# Altium PCB xialeste.PcbDoc (part 5 of 10)
Units mm, origin at the board's own origin, x right, y up, seen from the top; angles counter-clockwise.
Board outline 203.2 x 171.45 mm, 6 copper layers (L1, L2, L3, L4 (PWR), L5, L6), stack 1.542 mm thick; 748 components, 618 nets, 3334 pads, 1535 vias.
Unrouted connection lines stored in the file: 160.
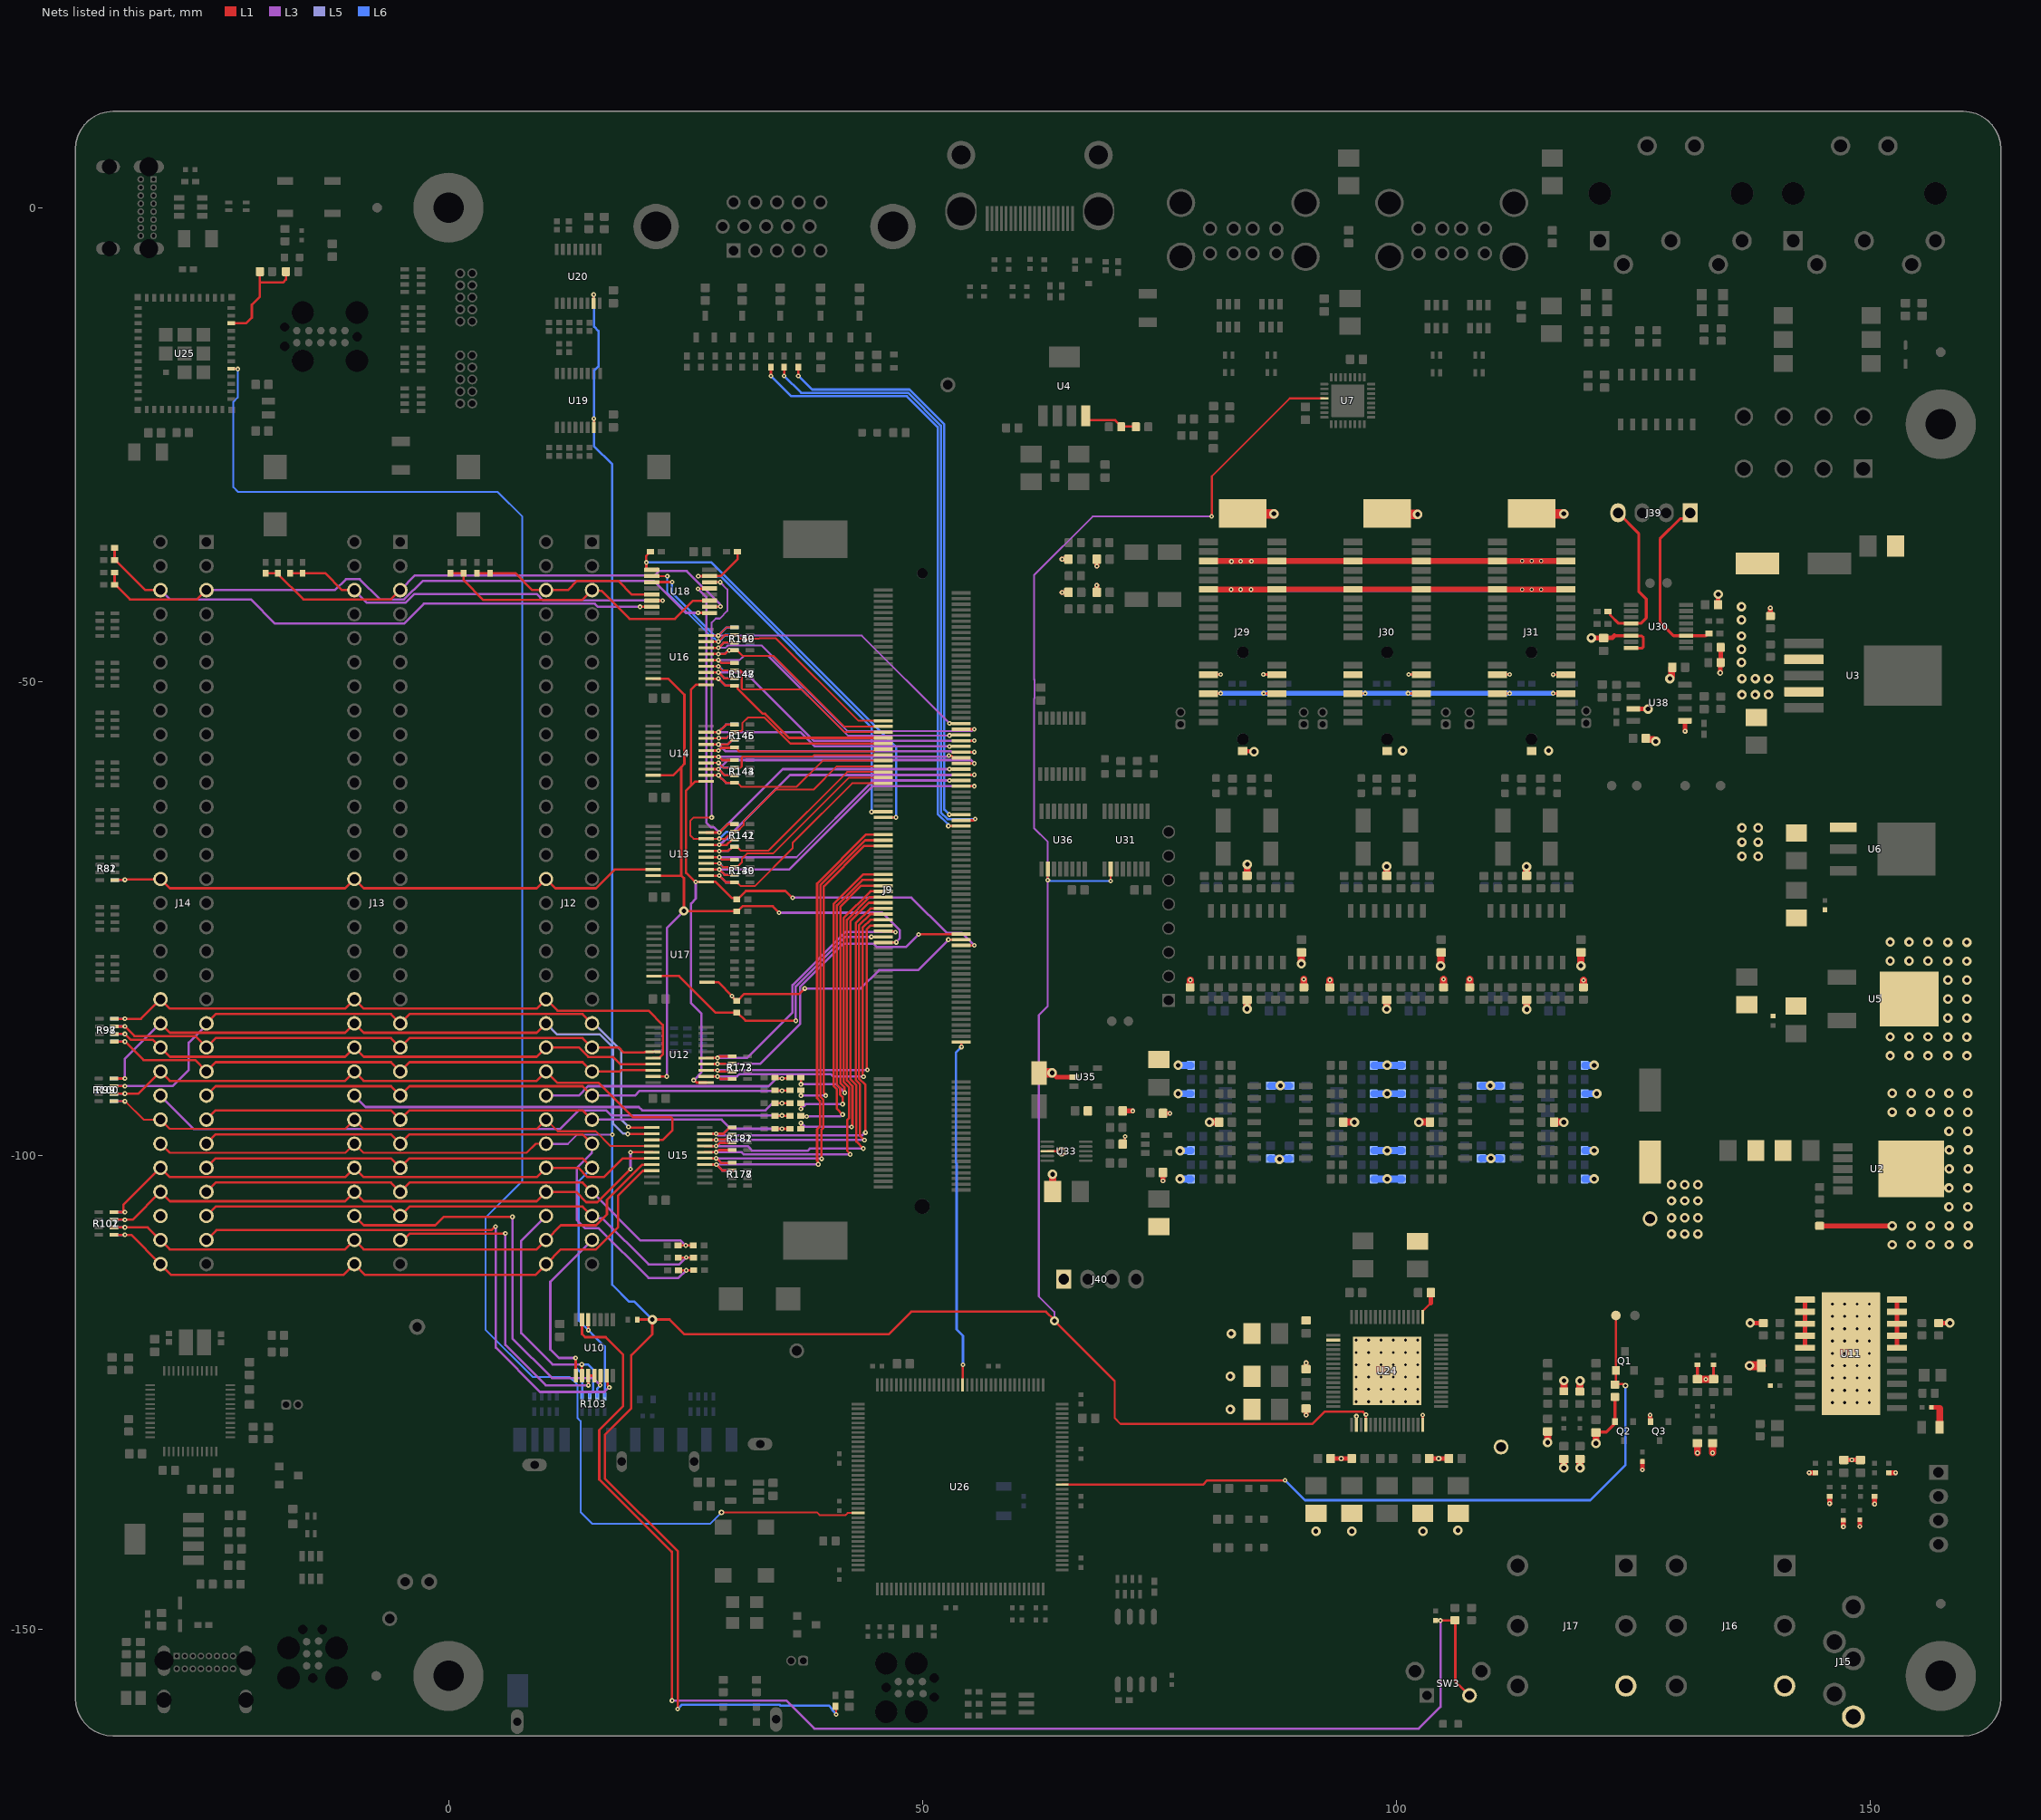
[diagram p9: the nets of this part, all layers, seen from the top]

## Via types
v1: diameter 0.5, hole 0.2, L1 to L6, tented both sides, 977 vias
v2: diameter 1, hole 0.5, L1 to L6, 416 vias
v3: diameter 0.6, hole 0.3, L1 to L6, 96 vias
v4: diameter 0.45, hole 0.25, L1 to L6, 26 vias
v5: diameter 0.5, hole 0.2, L1 to L6, 10 vias
v6: diameter 1, hole 0.5, L1 to L6, tented both sides, 10 vias

## Nets (pads, with @x,y where several pads share a name; then routed paths per layer and width w, separated by ;. In a path a pad name is that pad's centre, name@x,y a point inside that pad or via, vN(x,y) a via of type N, cw(c..) or ccw(c..) an arc to the next point about the centre after c; other vN are vias at no path point) (continued)
/ABENA: J9.76 R158.1 U12.19 U13.19 U14.19 U16.19 | length 79.9
  L1 w0.25: U12.19@21.6,-91.681 v1(23.048,-91.681) ; U13.19@21.6,-70.494 24.587,-70.494 24.848,-70.755 24.848,-74.151 v2@24.814,-74.185 ; U14.19@21.6,-59.9 23.7,-59.9 24.562,-59.038 ; U16.19@21.6,-49.7 23.2,-49.7 24.9,-51.4 24.9,-58.7 24.562,-59.038 ; 24.562,-70.451 24.562,-59.038 ; v2(24.848,-74.211) 24.868,-74.231 R158.1@30.519,-74.231 ; R158.1@30.425,-74.25 30.5,-74.25 R158.1@30.519,-74.231 ; v1(34.9,-74.4) 34.225,-73.725 31.025,-73.725 R158.1@30.519,-74.231 ; J9.76@45.9,-77.55 45.913,-77.537 47.238,-77.537 v1(47.25,-77.525)
  L3 w0.25: v1(23.048,-91.681) 23.048,-76.012 v2(24.848,-74.211) ; v1(34.9,-74.4) 45.791,-74.4 47.642,-76.251 47.642,-77.079 47.25,-77.471 v1(47.25,-77.525)
/ABOUT: J9.75 R151.1 U12.1 U13.1 U14.1 U16.1 | length 82.2
  L1 w0.25: v1(25.884,-92.07) 25.938,-92.07 26.199,-92.331 27.204,-92.331 U12.1@27.218,-92.317 ; U14.1@27.2,-60.55 26.053,-60.55 25.608,-60.995 ; U16.1@27.2,-50.35 26.118,-50.35 25.608,-50.86 25.608,-60.995 ; R151.1@30.425,-73 30.262,-72.837 29.882,-72.837 28.189,-71.144 v1(26.098,-71.144) 26.025,-71.144 25.085,-70.204 25.085,-61.518 25.608,-60.995 ; R151.1@30.5,-73 31.39,-72.11 35.556,-72.11 36.264,-72.818 v1(36.318,-72.818) ; J9.75@54.1,-77.85 v1(55.5,-77.85)
  L3 w0.25: v1(25.884,-92.07) 26.703,-91.251 26.703,-85.05 25.594,-83.941 25.594,-73.425 26.098,-72.921 v1(26.098,-71.144) ; v1(36.318,-72.818) 48.846,-72.818 52.553,-76.525 54.175,-76.525 v1(55.5,-77.85)
/B_BACK: J12.50 J13.50 J14.50 R99.1 R100.8 U15.14 | length 61.2
  L1 w0.2: R99.1@-35.3,-94.3 -34.112,-94.3 -32.172,-96.24 J14.50@-30.389,-96.24 -29.427,-97.202 -10.893,-97.202 J13.50@-9.931,-96.24 -8.969,-97.202 9.337,-97.202 J12.50@10.299,-96.24 11.527,-97.468 15.539,-97.468 17.096,-99.025 U15.14@21.45,-99.025
  L6 w0.2: R100.8@-35.3,-94.3 v1@-34.4,-94.3
  other v1: -34.15,-94.3
/B_BREQ: J12.49 J13.49 J14.49 R152.1 R161.2 | length 64.3
  L1 w0.25: J14.49@-25.538,-96.24 -24.551,-95.253 -6.067,-95.253 J13.49@-5.08,-96.24 -4.093,-95.253 14.163,-95.253 J12.49@15.15,-96.24 ; R152.1@34.475,-97.2 v1(35.2,-97.2) R161.2@36.025,-97.2
  L3 w0.25: J12.49@15.15,-96.24 28.832,-96.24 29.792,-97.2 v1(35.2,-97.2)
/B_HALT: J12.46 J13.46 J14.46 R99.2 R100.7 U15.13 | length 68.3
  L1 w0.25: R99.2@-35.3,-93.5 -34.4,-93.5 -32.729,-93.5 J14.46@-30.389,-91.16 -29.402,-92.147 -10.918,-92.147 J13.46@-9.931,-91.16 -8.944,-92.147 9.312,-92.147 J12.46@10.299,-91.16 11.502,-92.363 15.855,-92.363 19.492,-96 23.5,-96 23.646,-96.146 23.646,-97.354 22.625,-98.375 U15.13@21.45,-98.375
  L6 w0.25: R100.7@-35.3,-93.5 v1@-34.4,-93.5
  other v1: -34.15,-93.5
/B_INT1: J12.48 R154.1 R165.2 | length 27.3
  L1 w0.25: R154.1@34.475,-91.8 34.537,-91.862 35.162,-91.862 v1(35.2,-91.9) 35.238,-91.862 35.963,-91.862 R165.2@36.025,-91.8
  L3 w0.25: J12.48@10.299,-93.7 13.754,-93.7 14.741,-92.713 33.787,-92.713 34.6,-91.9 v1(35.2,-91.9)
/B_INT2: J13.48 R155.1 R166.2 | length 47.6
  L1 w0.25: R155.1@34.475,-94.5 R166.2@36.025,-94.5
  L3 w0.25: J13.48@-9.931,-93.7 -8.728,-94.903 20.085,-94.903 20.432,-95.25 33.45,-95.25 34.2,-94.5 v1(35.2,-94.5)
/B_INT3: J14.48 R156.1 R167.2 | length 69.7
  L1 w0.25: R156.1@34.475,-95.85 34.5,-95.825 35.175,-95.825 v1(35.2,-95.8) 35.225,-95.825 36,-95.825 R167.2@36.025,-95.85
  L3 w0.25: J14.48@-30.389,-93.7 -26.862,-97.227 11.773,-97.227 13.747,-95.253 16.642,-95.253 17.189,-95.8 v1(35.2,-95.8)
/B_IORQ: J12.43 J13.43 J14.43 R97.3 R98.6 U12.15 | length 60.5
  L1 w0.25: R97.3@-35.25,-86.4 v1@-34.3,-86.4 ; v1(-34.15,-86.4) -33.133,-87.417 -26.741,-87.417 J14.43@-25.538,-88.62 -24.551,-87.633 -6.067,-87.633 J13.43@-5.08,-88.62 -4.093,-87.633 14.163,-87.633 J12.43@15.15,-88.62 17.979,-88.62 18.509,-89.15 20.697,-89.15 20.74,-89.106 21.575,-89.106 U12.15@21.6,-89.081
  L6 w0.25: R98.6@-35.25,-86.4 v1@-34.3,-86.4
/B_IOSEL1: J12.5 R110.2 R111.1 U18.11 | length 31.4
  L1 w0.25: R110.2@0.2,-38.575 R111.1@1.6,-38.575 1.6,-39.3 3.7,-41.4 14.11,-41.4 J12.5@15.15,-40.36 15.231,-40.441 16.141,-40.441 19.1,-43.4 23.9,-43.4 25.82,-41.48 27.545,-41.48 U18.11@27.55,-41.475
/B_IOSEL2: J13.5 R112.2 R113.1 U18.10 | length 53.3
  L1 w0.25: R112.2@-19.301,-38.575 R113.1@-18,-38.575 -18,-38.65 -15.303,-41.347 -6.067,-41.347 J13.5@-5.08,-40.36 ; U18.10@27.55,-42.125 27.563,-42.112 28.688,-42.112 v1(28.7,-42.1)
  L3 w0.25: J13.5@-5.08,-40.36 -3.527,-38.807 21.793,-38.807 22.243,-38.357 25.145,-38.357 28.662,-41.873 28.662,-42.062 v1(28.7,-42.1)
/B_IOSEL3: J14.5 R114.2 R115.1 U18.9 | length 68.7
  L1 w0.25: R114.2@-35.225,-38.5 R115.1@-35.225,-39.8 -35.15,-39.8 -33.603,-41.347 -26.525,-41.347 J14.5@-25.538,-40.36 ; v1(26.35,-42.757) 26.359,-42.766 27.541,-42.766 U18.9@27.55,-42.775
  L3 w0.25: J14.5@-25.538,-40.36 -11.987,-40.36 -10.827,-39.2 -9.359,-39.2 -7.212,-41.347 -4.671,-41.347 -2.697,-39.373 21.673,-39.373 25.057,-42.757 v1(26.35,-42.757)
/B_M1: J12.41 J13.41 J14.41 R99.3 R100.6 U15.11 | length 72.4
  L1 w0.25: R99.3@-35.3,-92.7 v1@-34.4,-92.7 ; J14.41@-25.538,-86.08 -24.551,-85.093 -6.067,-85.093 J13.41@-5.08,-86.08 -4.093,-85.093 14.163,-85.093 J12.41@15.15,-86.08 ; v1(19,-97) 19.054,-97 19.129,-97.075 U15.11@21.45,-97.075
  L3 w0.25: v1(-34.15,-92.7) -29.1,-92.7 -27.4,-91 -27.4,-88.1 -25.538,-86.238 J14.41@-25.538,-86.08
  L5 w0.25: J12.41@15.15,-86.08 15.325,-86.08 18.25,-89.005 18.25,-96.25 v1(19,-97)
  L6 w0.25: R100.6@-35.3,-92.7 v1@-34.4,-92.7
/B_MEMSEL1: J12.6 R104.2 R105.1 U18.5 | length 20.3
  L1 w0.25: R105.1@3,-38.575 R104.2@4.353,-38.575 ; R104.2@4.396,-38.532 R104.2@4.353,-38.575 ; U18.5@21.45,-40.825 19.35,-40.825 17.898,-39.373 13.595,-39.373 12.608,-40.36 J12.6@10.299,-40.36 8.86,-40.36 7.075,-38.575 R104.2@4.4,-38.575 R104.2@4.353,-38.575
/B_MEMSEL2: J13.6 R106.2 R107.1 U18.6 | length 42.5
  L1 w0.25: R107.1@-16.7,-38.575 R106.2@-15.4,-38.575 -13.025,-38.575 -11.24,-40.36 J13.6@-9.931,-40.36 ; U18.6@21.45,-41.475 v1(22.616,-41.475)
  L3 w0.25: J13.6@-9.931,-40.36 -8.594,-41.697 -4.526,-41.697 -3.598,-40.769 9.312,-40.769 9.99,-41.447 22.588,-41.447 v1(22.616,-41.475)
/B_MEMSEL3: J14.6 R108.2 R109.1 U18.7 | length 61.8
  L1 w0.25: R108.2@-35.225,-35.9 R109.1@-35.225,-37.2 -35.15,-37.2 -31.99,-40.36 J14.6@-30.389,-40.36 J14.6@-30.306,-40.36 ; v1(20.225,-42.125) U18.7@21.45,-42.125
  L3 w0.25: J14.6@-30.389,-40.36 -29.402,-41.347 -20.853,-41.347 -18.313,-43.887 -4.671,-43.887 -2.581,-41.797 15.443,-41.797 15.771,-42.125 v1(20.225,-42.125)
/B_MREQ: J12.40 J13.40 J14.40 R97.4 R98.5 U12.16 | length 66.7
  L1 w0.25: R97.4@-35.25,-85.6 -34.3,-85.6 -32.449,-85.6 J14.40@-30.389,-83.54 -29.402,-84.527 -10.918,-84.527 J13.40@-9.931,-83.54 -8.944,-84.527 9.312,-84.527 J12.40@10.299,-83.54 11.502,-84.743 21.13,-84.743 22.625,-86.238 22.625,-89.356 22.275,-89.706 21.625,-89.706 U12.16@21.6,-89.731
  L6 w0.25: R98.5@-35.25,-85.6 v1@-34.3,-85.6
  other v1: -34.15,-85.6
/B_NMI: J12.47 J13.47 J14.47 R153.1 R164.2 | length 64.2
  L1 w0.25: J14.47@-25.538,-93.7 -24.551,-92.713 -6.067,-92.713 J13.47@-5.08,-93.7 -4.093,-92.713 14.163,-92.713 J12.47@15.15,-93.7 ; R153.1@34.475,-93.15 34.5,-93.175 35.175,-93.175 v1(35.2,-93.2) 35.225,-93.175 36,-93.175 R164.2@36.025,-93.15
  L3 w0.25: J12.47@15.15,-93.7 19.669,-93.7 20.169,-93.2 v1(35.2,-93.2)
/B_RAMRD: J12.56 J13.56 J14.56 R101.3 R102.6 U15.15 | length 64.4
  L1 w0.25: R101.3@-35.3,-106.8 -34.3,-106.8 -33.329,-106.8 J14.56@-30.389,-103.86 -29.402,-104.847 -10.918,-104.847 J13.56@-9.931,-103.86 -8.944,-104.847 9.312,-104.847 J12.56@10.299,-103.86 13.462,-103.86 14.551,-104.949 15.717,-104.949 v1(19.205,-101.46) ; v1(19.221,-99.683) 19.225,-99.679 21.561,-99.679 U15.15@21.573,-99.666
  L3 w0.25: v1(19.205,-101.46) 19.213,-101.453 19.213,-99.691 v1(19.221,-99.683)
  L6 w0.25: R102.6@-35.3,-106.8 v1@-34.3,-106.8
  other v1: -34.15,-106.8
/B_RD: J12.44 J13.44 J14.44 R97.2 R98.7 U12.17 | length 60.6
  L1 w0.25: R97.2@-35.25,-87.2 v1@-34.3,-87.2 ; v1(-34.15,-87.2) -33.543,-87.807 -31.202,-87.807 J14.44@-30.389,-88.62 -29.402,-89.607 -10.918,-89.607 J13.44@-9.931,-88.62 -8.944,-89.607 9.312,-89.607 J12.44@10.299,-88.62 13.754,-88.62 14.744,-89.61 17.36,-89.61 18.131,-90.381 U12.17@21.6,-90.381
  L6 w0.25: R98.7@-35.25,-87.2 v1@-34.3,-87.2
/B_RESET: J12.53 J13.53 J14.53 R103.4 U10.12 | length 69.3
  L1 w0.25: J14.53@-25.538,-101.32 -24.551,-100.333 -6.067,-100.333 J13.53@-5.08,-101.32 -4.093,-100.333 14.163,-100.333 J12.53@15.15,-101.32 ; U10.12@14.75,-117.35 14.757,-117.357 14.757,-118.437 v1(14.763,-118.443)
  L6 w0.25: J12.53@15.15,-101.32 13.739,-102.731 13.739,-117.419 16.506,-120.187 R103.4@16.506,-125.439
/B_RFSH: J12.42 J13.42 J14.42 R99.4 R100.5 U15.12 | length 72.1
  L1 w0.25: R99.4@-35.3,-91.9 v1@-34.4,-91.9 ; J14.42@-30.389,-86.08 -29.402,-87.067 -10.918,-87.067 J13.42@-9.931,-86.08 -8.944,-87.067 9.312,-87.067 J12.42@10.299,-86.08 ; v1(18.927,-97.75) 18.939,-97.737 21.437,-97.737 U15.12@21.45,-97.725
  L3 w0.25: v1@-34.162,-91.85 -34.162,-89.853 J14.42@-30.389,-86.08
  L5 w0.25: J12.42@10.299,-86.08 11.469,-87.25 16,-87.25 17.356,-88.606 17.356,-96.606 18.462,-97.712 18.888,-97.712 v1(18.927,-97.75)
  L6 w0.25: R100.5@-35.3,-91.9 v1@-34.4,-91.9
  other v1: -34.15,-91.9
/B_ROMEN: J12.54 J13.54 J14.54 R101.4 R102.5 U15.16 | length 63
  L1 w0.25: R101.4@-35.3,-106 -34.3,-106 -34.3,-105.231 J14.54@-30.389,-101.32 -29.402,-102.307 -10.918,-102.307 J13.54@-9.931,-101.32 -8.944,-102.307 9.312,-102.307 J12.54@10.299,-101.32 13.693,-101.32 14.68,-102.307 16.394,-102.307 18.376,-100.325 U15.16@21.45,-100.325
  L6 w0.25: R102.5@-35.3,-106 v1@-34.3,-106
  other v1: -34.15,-106
/B_WR: J12.45 J13.45 J14.45 R97.1 R98.8 U12.18 | length 60.6
  L1 w0.25: R97.1@-35.25,-88 v1@-34.3,-88 ; v1(-34.15,-88) -32.193,-89.957 -26.741,-89.957 J14.45@-25.538,-91.16 -24.551,-90.173 -6.067,-90.173 J13.45@-5.08,-91.16 -4.093,-90.173 14.163,-90.173 J12.45@15.15,-91.16 18.09,-91.16 18.219,-91.031 U12.18@21.6,-91.031
  L6 w0.25: R98.8@-35.25,-88 v1@-34.3,-88
/BACK: J9.94 R181.4 R182.5 U15.6 | length 49.8
  L1 w0.25: U15.6@27.05,-99.675 28.304,-99.675 28.529,-99.45 R181.4@29.95,-99.45 ; v1(42.4,-99.9) 42.4,-99.846 42.075,-99.521 42.075,-96.286 42.287,-96.074 42.287,-92.839 41.7,-92.252 41.7,-74.975 44.525,-72.15 J9.94@45.9,-72.15
  L3 w0.25: v1(28.25,-99.675) 30.925,-99.675 31.15,-99.9 v1(42.4,-99.9)
  L6 w0.25: v1(28.25,-99.675) 28.304,-99.675 28.529,-99.45 R182.5@29.95,-99.45
/BREQ: J9.92 R161.1 | length 32.7
  L1 w0.25: R161.1@37.175,-97.2 37.2,-97.175 v1(37.2,-96.6) ; v1(42.55,-97) 42.55,-96.946 42.637,-96.859 42.637,-92.694 42.05,-92.107 42.05,-75.17 44.47,-72.75 J9.92@45.493,-72.75
  L3 w0.25: v1(37.2,-96.6) 37.249,-96.6 37.649,-97 42.458,-97 v1(42.55,-97)
/BREQ1_I: J12.59 R103.1 U10.1 | length 22.8
  L1 w0.25: v1(13.411,-121.394) 13.431,-121.413 13.431,-123.231 U10.1@13.45,-123.25
  L3 w0.25: v1(13.411,-121.394) 11.657,-121.394 10.75,-120.487 10.75,-113.34 J12.59@15.15,-108.94
  L6 w0.25: v1(13.411,-121.394) 13.411,-122.411 14.128,-123.128 R103.1@14.128,-125.57
/BREQ1_O: J12.58 R103.2 U10.2 | length 26.8
  L1 w0.25: v1(14.073,-122.076) 14.086,-122.09 14.086,-123.236 U10.2@14.1,-123.25
  L3 w0.25: J12.58@10.299,-106.4 7.673,-109.026 7.673,-118.768 10.981,-122.076 v1(14.073,-122.076)
  L6 w0.25: v1(14.073,-122.076) 14.723,-122.076 15.25,-122.603 15.25,-124.85 14.9,-125.2 R103.2@14.9,-125.45
/BREQ2_I: J13.59 U10.3 U10.4 | length 35.3
  L1 w0.25: J13.59@-5.08,-108.94 -4.776,-108.94 -4.085,-108.25 v1(6,-108.25) ; v1(14.774,-124.275) 14.762,-124.263 14.762,-123.262 U10.3@14.75,-123.25 U10.4@15.4,-123.25
  L3 w0.25: v1(6,-108.25) 6,-120 10.275,-124.275 v1(14.774,-124.275)
/BREQ2_O: J13.58 R103.3 U10.5 | length 43.9
  L1 w0.25: J13.58@-9.931,-106.4 -8.944,-107.387 -1.395,-107.387 -0.508,-106.5 v1(6.75,-106.5) ; v1@16,-124.304 v1(16,-124.25) 16.025,-124.225 16.025,-123.275 U10.5@16.05,-123.25
  L3 w0.25: v1(6.75,-106.5) 6.75,-119.327 10.923,-123.5 15.25,-123.5 v1(16,-124.25)
  L6 w0.25: R103.3@15.7,-125.45 15.7,-124.604 v1@16,-124.304
/BREQ3_I: J14.59 U10.6 | length 59.4
  L1 w0.25: J14.59@-25.538,-108.94 -24.498,-107.9 4.551,-107.9 v1@4.951,-107.5 ; v1@4.973,-107.524 v1(4.973,-107.521) ; U10.6@16.7,-123.25 16.8,-123.35 16.8,-124.264 16.981,-124.446 v1(16.981,-124.5)
  L3 w0.25: v1(4.973,-107.521) 4.951,-107.5 5,-107.5 5,-120.302 9.673,-124.975 16.452,-124.975 16.927,-124.5 v1(16.981,-124.5)
/BREQ3_O: J14.58
/BRES: C156.1 R212.1 SW3.2 U10.13 | length 150.4
  L1 w0.25: U10.13@14.1,-117.35 14.1,-118.87 14.422,-119.192 16.592,-119.192 18.44,-121.04 18.44,-126.468 15.91,-128.997 15.91,-134.213 23.541,-141.844 23.579,-141.844 ; v1(23.596,-157.545) 23.596,-141.899 ; C156.1@104.177,-149.095 v1(104.688,-149.095) R212.1@106.246,-149.095 ; R212.1@106.208,-149.056 106.25,-149.098 106.25,-149.65 ; 106.25,-149.75 106.25,-155.5 SW3.2@107.75,-157
  L3 w0.25: v1(23.596,-157.545) 35.645,-157.545 38.6,-160.5 102.4,-160.5 104.688,-158.212 v1(104.688,-149.095)
/DBENA: J9.78 R174.1 U17.19 | length 31.9
  L1 w0.25: U17.19@21.7,-81.088 24.344,-81.088 28.206,-84.95 30.5,-84.95 31.35,-85.8 v1(36.65,-85.8) ; v1(44.621,-76.95) J9.78@45.9,-76.95
  L3 w0.25: v1(36.65,-85.8) 36.65,-82.183 41.883,-76.95 v1(44.621,-76.95)
/DBOUT: J9.77 R168.1 U17.1 | length 30.3
  L1 w0.25: U17.1@27.3,-81.738 28.462,-81.738 29.955,-83.23 29.955,-83.305 30.35,-83.7 30.5,-83.7 31.218,-82.982 37.018,-82.982 v1(37.6,-82.4) ; v1(52.75,-77.25) J9.77@54.1,-77.25
  L3 w0.25: v1(37.6,-82.4) 43.5,-82.4 45.449,-80.451 49.549,-80.451 v1(52.75,-77.25)
  other v1: 29.917,-83.192
/ESP_INT: U25.16 U26.132 | length 188.8
  L1 w0.2: U25.16@-22.94,-17.001 -22.927,-17.014 -22.253,-17.014 v1(-22.24,-17.026) ; v3(28.802,-137.698) 28.825,-137.675 38.875,-137.675 39.162,-137.962 41.916,-137.962 42.128,-137.75 U26.132@43.224,-137.75
  L6 w0.2: v1(-22.24,-17.026) -22.24,-20.04 -22.7,-20.5 -22.7,-29.5 -22.2,-30 5.2,-30 7.8,-32.6 7.8,-102.7 3.9,-106.6 3.9,-118.4 8.9,-123.4 12.8,-123.4 13.6,-124.2 13.6,-127.7 13.945,-128.045 13.945,-137.645 15.2,-138.9 27.6,-138.9 v3(28.802,-137.698)
/FMC_INT: J9.41 U26.90 | length 36.8
  L1 w0.25: J9.41@54.1,-88.05 54.137,-88.087 v1(54.137,-88.566) ; U26.90@54.25,-124.224 54.265,-124.209 54.265,-122.135 v5(54.3,-122.1)
  L6 w0.25: v1(54.137,-88.566) 53.558,-89.145 53.558,-100.825 53.625,-100.892 53.625,-118.379 54.3,-119.054 v5(54.3,-122.1)
/HALT: J9.90 R181.3 R182.6 U15.7 | length 49.6
  L1 w0.25: U15.7@27.05,-99.025 28.304,-99.025 28.642,-98.687 29.913,-98.687 R181.3@29.95,-98.65 ; v1(43.782,-99.282) 43.05,-98.55 43.05,-92.612 42.4,-91.962 42.4,-75.315 44.365,-73.35 J9.90@45.9,-73.35
  L3 w0.25: v1(28.25,-99.025) 31.59,-99.025 32.09,-99.525 37.899,-99.525 38.142,-99.282 v1(43.782,-99.282)
  L6 w0.25: v1(28.25,-99.025) 28.304,-99.025 28.615,-98.715 29.885,-98.715 R182.6@29.95,-98.65
/INT1: J9.96 R165.1 | length 31
  L1 w0.25: R165.1@37.175,-91.8 37.2,-91.825 v1(37.2,-92.5) ; v1(41.812,-93.4) 41.774,-93.362 41.774,-92.821 41.35,-92.397 41.35,-73.76 43.56,-71.55 J9.96@45.9,-71.55
  L3 w0.25: v1(37.2,-92.5) 40.912,-92.5 v1(41.812,-93.4)
/INT2: J9.98 R166.1 | length 32.5
  L1 w0.25: R166.1@37.175,-94.5 37.2,-94.525 v1(37.2,-95.1) ; v1(41.6,-94.6) 41.6,-93.859 41.337,-93.597 41.337,-92.882 41,-92.544 41,-73.615 43.665,-70.95 J9.98@45.9,-70.95
  L3 w0.25: v1(37.2,-95.1) 37.7,-94.6 v1(41.6,-94.6)
/INT3: J9.100 R167.1 | length 33.7
  L1 w0.25: R167.1@37.175,-95.85 37.2,-95.875 37.775,-95.875 v1(37.8,-95.9) ; v1(41.6,-95.7) 40.987,-95.087 40.987,-93.027 40.65,-92.689 40.65,-73.47 43.77,-70.35 J9.100@45.9,-70.35
  L3 w0.25: v1(37.8,-95.9) 41.346,-95.9 41.546,-95.7 v1(41.6,-95.7)
/IORQ: J9.80 R172.1 R173.8 U12.5 | length 31.7
  L1 w0.25: U12.5@27.2,-89.731 28.435,-89.731 28.617,-89.55 29.922,-89.55 R172.1@29.95,-89.522 ; J9.80@45.9,-76.35 45.95,-76.4 47.065,-76.4 47.113,-76.448 v1(47.167,-76.448)
  L3 w0.25: v1(28.381,-89.731) 31.484,-89.731 36.3,-84.916 36.3,-82.038 41.89,-76.448 v1(47.167,-76.448)
  L6 w0.25: v1@28.474,-89.731 28.474,-89.693 28.617,-89.55 29.915,-89.55 R173.8@29.944,-89.522
/IOSEL: J9.122 R179.1 U18.15 | length 40.8
  L1 w0.25: v1(26.358,-38.898) 26.369,-38.886 27.539,-38.886 U18.15@27.55,-38.875 28.725,-38.875 30.498,-37.102 R179.1@30.498,-36.309 ; v1(44.655,-63.769) 44.664,-63.76 45.89,-63.76 J9.122@45.9,-63.75
  L6 w0.25: v1(26.358,-38.898) 26.366,-38.906 28.728,-38.906 44.655,-54.833 v1(44.655,-63.769)
/LED: R204.1 R207.2 U25.22 | length 11.4
  L1 w0.25: U25.22@-22.94,-12.201 -21.347,-12.201 -20.75,-11.604 -20.75,-10.238 -19.9,-9.388 -19.9,-7.9 ; R207.2@-19.9,-6.748 -19.9,-7.9 ; R204.1@-17.15,-6.748 -17.15,-7.598 -17.452,-7.9 -19.9,-7.9
/M1: J9.86 R181.1 R182.8 U15.9 | length 46.3
  L1 w0.25: U15.9@27.05,-97.725 29.025,-97.725 29.7,-97.05 R181.1@29.95,-97.05 ; v1(44,-97.6) 44,-92.572 43.325,-91.897 43.325,-75.75 44.525,-74.55 J9.86@45.9,-74.55
  L3 w0.25: v1(28.25,-97.725) 28.304,-97.725 28.479,-97.9 43.646,-97.9 43.946,-97.6 v1(44,-97.6)
  L6 w0.25: v1(28.25,-97.725) 29.025,-97.725 29.7,-97.05 R182.8@29.95,-97.05
/MEMSEL: J9.120 R180.1 U18.1 | length 46.3
  L1 w0.25: v1@20.861,-37.331 20.861,-36.75 21.052,-36.559 21.052,-36.484 21.227,-36.309 R180.1@21.302,-36.309 ; v1(20.882,-37.436) 20.882,-38.125 20.948,-38.191 U18.1@21.485,-38.191 ; U18.1@21.45,-38.225 21.9,-38.225 U18.1@22,-38.125 ; J9.120@45.9,-64.35 45.903,-64.347 47.225,-64.347 v1(47.229,-64.344)
  L6 w0.25: v1(20.882,-37.436) 27.753,-37.436 47.229,-56.912 v1(47.229,-64.344)
/MREQ: J9.79 R172.2 R173.7 U12.4 | length 38.2
  L1 w0.25: U12.4@27.2,-90.381 27.214,-90.367 28.474,-90.367 28.474,-90.351 R172.2@29.95,-90.35 R172.2@29.95,-90.35 ; v1(49.6,-76.7) 49.625,-76.675 54.075,-76.675 J9.79@54.1,-76.65
  L3 w0.25: v1(28.381,-90.353) 32.894,-90.353 37.125,-86.122 37.125,-82.203 41.653,-77.675 44.847,-77.675 45.172,-78 48.3,-78 v1(49.6,-76.7)
  L6 w0.25: v1@28.474,-90.353 28.474,-90.351 29.942,-90.351 R173.7@29.944,-90.35
/MUTE: Q1.1 R137.2 TP1.1 U26.55 | length 78.9
  L1 w0.25: U26.55@64.776,-134.75 79.613,-134.75 80.063,-134.3 v5@88.4,-134.3 ; R137.2@123.1,-124.2 R137.2@123.15,-124.15 ; Q1.1@123.2,-122.75 TP1.1@123.2,-116.9 ; Q1.1@123.2,-122.7 123.2,-124.1 123.25,-124.15 123.955,-124.15 124.105,-124.3 v3(124.2,-124.3)
  L6 w0.25: v5(88.289,-134.289) 90.4,-136.4 120.5,-136.4 124.2,-132.7 v3(124.2,-124.3)
/NMI: J9.110 R164.1 | length 33.4
  L1 w0.25: R164.1@37.175,-93.15 37.2,-93.175 v1(37.2,-93.7) ; v1(39.8,-93.7) 39.8,-93.646 39.6,-93.446 39.6,-71.623 43.873,-67.35 J9.110@45.9,-67.35
  L3 w0.25: v1@37.211,-93.689 v1@39.789,-93.689
/RAMRD: J9.112 R177.1 R178.8 U15.5 | length 53.8
  L1 w0.25: U15.5@27.05,-100.325 28.294,-100.325 28.769,-100.8 R177.1@29.95,-100.8 ; v1(39.375,-100.375) 39.375,-97.284 39.55,-97.109 39.55,-94.122 39.25,-93.822 39.25,-71.478 43.978,-66.75 J9.112@45.9,-66.75
  L3 w0.25: v1(28.25,-100.325) 28.275,-100.35 39.35,-100.35 v1(39.375,-100.375)
  L6 w0.25: v1(28.25,-100.325) 28.294,-100.325 28.769,-100.8 R178.8@29.95,-100.8
/RD: J9.82 R172.3 R173.6 U12.3 | length 37.1